# KiCad board power-module.kicad_pcb (continued)
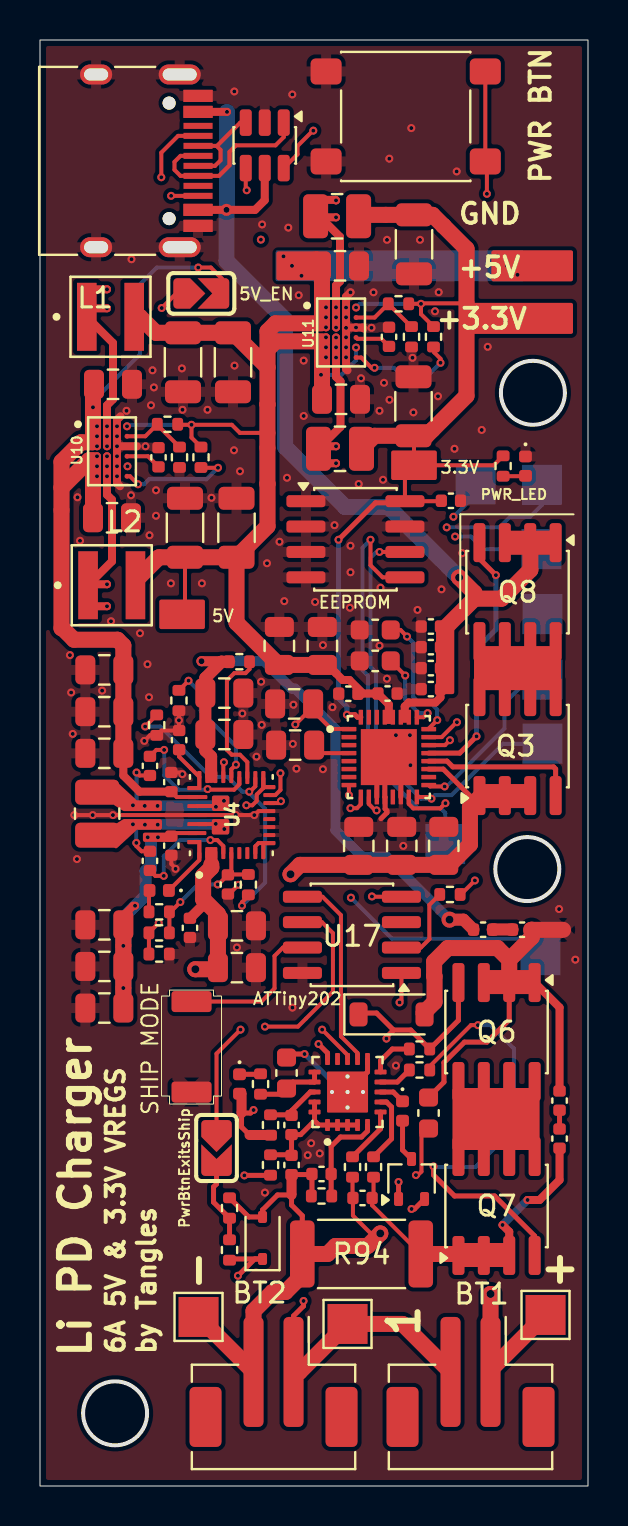
[diagram p0: board, top side]
## Nets
+3.3V_MAIN: C64.2 C65.2 C123.1 L3.2 L4.2 R24.1 R51.2 R52.2 U11.A4 U18.32 U22.8
+5V_MAIN: C56.2 C57.2 C58.2 C59.2 C61.2 C62.2 C119.1 C120.1 C121.1 C122.1 L1.2 L2.2 R48.2 R49.2 U10.A4 U11.A1 U11.B1 U11.C1 U11.D1 U11.E1 U11.E4 U11.F1 U18.28 U18.29
+VBATT: C95.1 C96.2 NT6.2 R71.2 U4.22 U4.23
+VBUS: C106.1 C112.1 C113.1 C114.1 J13.A4 J13.A9 J13.B4 J13.B9 Q8.1 Q8.2 Q8.3 U14.5 U18.26 U18.27
/3V3_SHIP_MODE_OFF: C104.1 SJ14.1 U18.1
/5V_EN: SJ9.1 U10.E4
/GND_OUT: C90.1 C91.2 D31.2 NT7.2 Q6.1 Q6.2 Q6.3 R87.1
GND: C54.1 C55.1 C56.1 C57.1 C58.1 C59.1 C60.1 C61.1 C62.1 C63.1 C64.1 C65.1 C76.1 C94.2 C95.2 C96.1 C97.2 C98.1 C99.1 C100.2 C101.2 C102.2 C103.1 C104.2 C105.2 C106.2 C107.2 C108.1 C109.1 C110.1 C111.2 C112.2 C113.2 C114.2 C115.2 C116.2 C117.1 C118.1 C119.2 C120.2 C121.2 C122.2 C123.2 D23.1 J13.A1 J13.A12 J13.B1 J13.B12 J13.S1 K_79.2 K_85.2 NT7.1 R50.1 R53.1 R72.1 R74.1 R96.2 TP3.1 U4.10 U4.11 U4.13 U4.27 U10.A3 U10.B3 U10.C3 U10.C4 U10.D3 U10.E3 U10.F3 U11.A3 U11.B3 U11.C3 U11.C4 U11.D3 U11.E3 U11.F3 U14.2 U17.8 U18.11 U18.12 U18.14 U18.33 U22.1 U22.2 U22.3 U22.4 U22.7
+VCHG: C101.1 C102.1 C103.2 C111.1 C115.1 C116.1 Q3.1 Q3.2 Q3.3 U4.2 U4.3 U18.19
+VSYS: C54.2 C55.2 C107.1 C108.2 C109.2 C110.2 SJ9.2 U4.25 U10.A1 U10.B1 U10.C1 U10.D1 U10.E1 U10.F1
/BQ_3V3: Q2.1 U16.15 U17.1
/BQ_BATT+: C85.2 R89.1 U16.18
/BQ_BATT-: C87.2 R91.1 U16.5
/BQ_CELL1: C85.1 C86.2 R90.1 U16.1 U16.2 U16.3 U16.4 U16.19 U16.20
/BQ_CHG: R86.2 U16.10
/BQ_DSG: R85.2 U16.9
/BQ_REGSRC: C84.2 R88.1 U16.16 U16.17
/BQ_SCL: U16.12 U17.5
/BQ_SDA: U16.13 U17.4
/BQ_TS: D32.1 U16.8
/CELL1: BT1.2 BT2.1 R90.2 TP2.1
/CELL+: BT1.1 C92.1 NT1.2 NT2.1 NT6.1 TP1.1
/CELL-: BT2.2 C84.1 C88.2 D33.2 NT3.1 R92.1 R94.2 R95.2 TP5.1 U16.11 U16.21
/CHG_INT: TP12.1 U4.21 U18.17
/CHG_SCL: TP10.1 U4.14 U18.16 U22.6
/CHG_SDA: TP11.1 U4.15 U18.15 U22.5
/CM5_PWR_BTN: K_79.1 R66.1
/DSCH_PATH: C88.1 C89.2 Q7.1 Q7.2 Q7.3 R93.2 R94.1
/GATE_VBUS: Q8.4 U18.21
/GATE_VCHG: Q3.4 U18.20
/PD_CC1: C117.2 J13.A5 U18.24
/PD_CC2: C118.2 J13.B5 U18.25
/PMID: C97.1 C98.2 C99.2 C100.1 U4.29
/PWR_OK_3V3: R51.1 U11.F4
/PWR_OK_5V: R48.1 U10.F4
/REGN: C76.2 R73.2 R75.1 R97.2 U4.5
/SHIP_MODE: K_85.1 U17.7
/TINY202_UPDI: TP4.1 U17.6
/USB2_SYS_N: U14.6 U18.23
/USB2_SYS_P: U14.4 U18.22
Net-(C86-Pad1): C86.1 C87.1 NT3.2 R91.2
Net-(C89-Pad1): C89.1 C90.2
Net-(C91-Pad1): C91.1 C92.2
Net-(D23-A): D23.2 R24.2
Net-(D30-A): D30.2 NT1.1
Net-(D30-K): D30.1 R88.2
Net-(D31-K): D31.1 Q6.4 R86.1 R87.2
Net-(D32-A): D32.2 Q2.3
Net-(D33-K): D33.1 Q2.2 R64.2
Net-(D35-A): D35.2 R97.1
Net-(D35-K): D35.1 U4.1
Net-(J13-D+-PadA6): J13.A6 J13.B6 U14.1
Net-(J13-D--PadA7): J13.A7 J13.B7 U14.3
Net-(L1-Pad1): L1.1 U10.A2 U10.B2 U10.C2
Net-(L2-Pad1): L2.1 U10.D2 U10.E2 U10.F2
Net-(L3-Pad1): L3.1 U11.A2 U11.B2 U11.C2
Net-(L4-Pad1): L4.1 U11.D2 U11.E2 U11.F2
Net-(NT2-Pad2): NT2.2 R89.2
Net-(Q3-D-Pad5): Q3.5 Q3.6 Q3.7 Q3.8 Q8.5 Q8.6 Q8.7 Q8.8
Net-(Q6-D-Pad5): Q6.5 Q6.6 Q6.7 Q6.8 Q7.5 Q7.6 Q7.7 Q7.8
Net-(Q7-G): Q7.4 R85.1
Net-(R64-Pad1): R64.1 R95.1 SJ14.2
Net-(U4-BATP): R71.1 U4.18
Net-(U4-BTST1): C77.1 U4.4
Net-(U4-BTST2): C93.1 U4.19
Net-(U4-ILIM_HIZ): R73.1 R74.2 U4.17
Net-(U4-PROG): R72.2 U4.20
Net-(U4-SDRV): C94.1 U4.24
Net-(U4-SW1): C77.2 L6.1 U4.28
Net-(U4-SW2): C93.2 L6.2 U4.26
Net-(U4-TS): R75.2 R96.1 U4.16
Net-(U4-VAC1): U4.8 U4.9
Net-(U10-FB): R49.1 R50.2 U10.B4
Net-(U10-SS/TR): C60.2 U10.D4
Net-(U11-FB): R52.1 R53.2 U11.B4
Net-(U11-SS/TR): C63.2 U11.D4
Net-(U16-SRN): R93.1 U16.7
Net-(U16-SRP): R92.2 U16.6
Net-(U17-PA6): R66.2 U17.2
Net-(U18-I2Ct_IRQ): TP6.1 U18.10
Net-(U18-I2Ct_SCL): TP8.1 U18.9
Net-(U18-I2Ct_SDA): TP7.1 U18.8
Net-(U18-LDO_1V5): C105.1 U18.4

Pads without a net: BT1 MP; BT2 MP; J13 A8 B8; U4 6 7 12; U16 14; U17 3; U18 2 3 5 6 7 13 18 30 31

## Via types
v1: diameter 0.4, hole 0.2, Top to Bottom, 255 vias
v2: diameter 0.8, hole 0.4, Top to Bottom, 6 vias
v3: diameter 0.6, hole 0.3, Top to Bottom, 1 via
v4: diameter 0.5, hole 0.3, Top to Bottom, 1 via

## Routing (per net, layer and track width the routed paths; a pad name or vN(x,y) marks a point on that pad's centre or on a via; arc(x,y) is an arc through that point)
+3.3V_MAIN: length 51
  Top w0.2: 18.7,51.05 18.25,50.6 U22.8 20.05,49.26 C123.1 ; 18.7,51.05 22.68,51.05 R24.1 ; 18.7,51.05 18.7,52.5 C64.2 ; v1(19.05,59.12) 19.08,59.15 21.32,59.15 21.33,59.15 ; v1(19.05,59.12) 19.05,58.61 R51.2 ; v1(19.05,59.12) R52.2
  Top w0.25: v1(14.93,47.33) 16.78,49.17 18.17,49.17 U22.8 ; U18.32 15.87,38.45 15.75,38.58 v1(15.35,38.58)
  Top w0.8: L4.2 16.72,52.53 C64.2 19.33,52.53 21.33,54.53 21.33,61.87 20.17,63.03 20.17,63.03 19.62,63.58 C65.2 16.15,63.58 16.1,63.53
  Bottom w0.2: v1(15.8,58.94) 15.99,59.12 v1(19.05,59.12)
  Bottom w0.25: v1(15.35,38.58) 15.35,38.98 14.93,39.4 v1(14.93,47.33)
+5V_MAIN: length 67.1
  Top w0.2: R49.2 6.91,53.08 v1(7.58,53.08) ; C57.2 7.25,43.74 7.11,43.59 ; R48.2 7.58,52.44 v1(7.58,53.08) ; 11.37,52.67 10,52.67 9.59,53.08 v1(7.58,53.08)
  Top w0.4: v1(14.3,57.95) 14.3,58.25 ; C122.1 14.39,41.06 14.8,40.65 14.8,40.64 15.14,40.31 15.47,40.31 16.15,39.64 C120.1 16.9,39.63 17.44,39.09 17.44,38.4 ; v1(14.3,57.45) 14.3,57.18
  Top w0.8: 11.38,56.84 11.79,57.25 14.1,57.25 ; 11.38,56.84 11.38,57.75 11.77,58.15 14.08,58.15 ; 11.38,56.84 11.38,55.95 ; C122.1 C121.1 11.94,41.06 9.83,43.17 C59.2 ; 11.38,55.95 C58.2 5.8,57.68 5,58.48 L1.2 ; 11.38,55.95 11.38,54.1 11.37,54.09 11.37,50.12 11.38,50.12 11.38,48 C59.2 ; C59.2 5.95,46.45 4.77,45.27 L2.2 ; 14.05,54.4 C61.2 ; 14.1,61 14.1,58.45 ; 14.1,54.38 14.1,56.97
  In2.Cu w0.4: v1(14.3,58.95) v1(14.3,57.95) ; v1(14.3,57.45) v1(14.3,56.45)
  Bottom w0.2: v1(15.8,56.94) 15.8,56.3 15.07,55.58 v1(14.05,55.58) ; v1(4.35,53) 4.43,53.08 v1(7.58,53.08)
  vias: v1(12.18,61.5) v1(12.6,61.03) v1(13.08,60.53) v1(14.3,58.45) v1(14.3,56.95) v1(22.88,61.53) v1(23.35,61.03) v1(23.88,60.58)
+VBATT: length 6.8
  Top w0.2: 8.17,37.48 C96.2
  Top w0.4: 8.57,35.46 8.56,35.47
  Top w0.6: 9.08,41.23 8.27,40.42 C95.1 C96.2 8.27,36.78 8.56,36.48 8.56,35.47 ; 9.08,41.23 R71.2 ; 9.08,41.23 9.05,41.23
+VBUS: length 49
  Top w0.4: C114.1 20.02,39.44 19.77,39.19 18.43,39.19 18.24,38.99 18.24,38.46 ; J13.A4 v1(9.35,68.72) ; J13.A9 v3(9.33,63.83) 10.75,63.83 11.24,64.31 U14.5
  Top w0.6: 24.51,47.18 24.52,47.19 24.52,47.6 24.5,47.62
  Top w0.8: 21.72,44.38 20.26,42.92 20.26,41.42 20.26,41.42 ; 21.72,44.38 23.08,44.38 24.52,45.81 24.52,47.17 ; 21.72,44.38 21.72,44.67 v2(20.96,45.44)
  Bottom w0.4: 9.35,63.85 v3(9.33,63.83)
  Bottom w0.8: v2(20.96,45.44) 17.43,48.97 15.25,48.97 12.25,51.97 12.25,58.34 9.33,61.27 v3(9.33,63.83) ; v1(9.35,68.72) 9.35,63.85
/3V3_SHIP_MODE_OFF: length 26.3
  Top w0.2: U18.1 15.44,37.87 14.56,37.87 13.72,38.7 13.39,38.7 ; v1(12.77,38.09) 13.66,38.98 C104.1 ; v1(10.03,22.83) 8.83,21.62 SJ14.1
  In1.Cu w0.2: v1(12.77,38.09) 13.58,37.28 13.58,28.73 10.03,25.19 v1(10.03,22.83)
/5V_EN: length 10.9
  Top w0.2: SJ9.1 6.81,59.65 v1(6.09,58.92) ; v1(4.38,51) U10.E4
  In1.Cu w0.2: v1(6.09,58.92) 6.09,58.09 6.33,57.85 6.33,51.63 5.69,51 v1(4.38,51)
/GND_OUT: length 24.2
  Top w0.25: 19.43,19.45 R87.1 20.2,20.2 20.2,21.17 21.22,22.2 22.35,22.2 23.46,23.31 23.46,25.18
  Top w0.4: 24.73,25.18 25.98,23.94 C90.1
  Top w0.8: 23.46,26.32 23.46,25.18 ; 23.46,26.32 24.59,27.44 C91.2 ; 23.46,26.32 22.88,26.91 20.39,26.91 19.71,26.22 19.71,25.51 19.73,25.48 19.73,24.2 19.18,23.66
GND: length 27.8
  Top w0.2: v1(7.12,35.61) 7.04,35.69 C107.2 ; v1(1.72,33.56) v1(2.64,33.56) v1(3.65,33.56) 9.78,33.56 v1(9.79,33.56) 9.8,33.56 v1(10.72,33.56) 10.74,33.56 10.94,33.76 U4.13 ; v1(5.22,37.27) 5.5,37.55 R74.1 6.08,37.78 C94.2 6.95,37.8 v1(6.95,38.3) R72.1 ; 6.57,31.59 6.57,31.11 6.78,30.89 v1(6.78,30.87) ; C76.1 9.46,29.61 v1(9.92,30.06)
  Top w0.25: 16.86,35.16 16.84,35.14 16.84,34.46 ; 18.04,35.17 18.04,35.16 18.04,34.46 ; 17.24,35.16 17.24,35.15 17.24,34.46 17.26,34.45 17.26,33.87 17.35,33.78 17.35,33.67 17.05,33.38
  Top w0.4: v1(3.85,52) 4.85,52 ; 4,50 3.85,50.15 v1(3.85,50.5) v1(3.85,51) v1(3.85,51.5) 3.85,53.33 4.03,53.5 ; U11.C3 v1(15.8,57.94) 16.14,57.94 16.18,57.9 ; 15.38,55.8 15.3,55.87 v1(15.3,56.45) v1(15.3,56.95) v1(15.3,57.45) v1(15.3,57.93) v1(15.3,58.45) v1(15.3,58.94) 15.3,59.48 v1(15.53,59.7)
  vias: v1(1.5,41.56) v1(1.56,39.69) v1(1.64,37.62) v1(1.88,49.45) v1(1.85,31.36) v1(2,47.28) v1(3.11,39.78) v1(3.55,43.25) v1(3.85,53) v1(3.85,52.5) v1(4.33,53.78) v1(4.55,49.55) v1(4.58,61.36) v1(5,42.65) v1(5.28,52) v1(5.38,41.1) v1(5.47,47.55) v1(5.45,39.45) v1(5.55,54.05) v1(5.62,55.8) v1(5.7,54.95) v1(5.8,49.8) v1(5.8,48.53) v1(6.55,45.14) v1(7.1,55.9) v1(7.12,53.83) v1(8.1,45.14) v1(8.38,53.83) v1(8.58,49.42) v1(9.72,69.75) v1(9.72,56.04) v1(9.7,51.8) v1(9.85,26.94) v1(10,50.75) v1(10.12,38.64) v1(10.83,36.48) v1(11.06,40.23) v1(11.11,63.1) v1(11.09,38.06) v1(11.25,14.67) v1(11.35,46.15) v1(11.97,47.23) v1(12.22,44.26) v1(12.35,50.42) v1(12.41,62.94) v1(12.62,69.59) v1(12.67,39.08) v1(12.64,37.12) v1(12.62,23.92) v1(12.82,35.88) v1(12.94,59.55) v1(13.19,56.29) v1(13.19,53.52) v1(13.39,16.55) v1(13.56,17.14) v1(13.75,44.22) v1(13.99,16.64) v1(14.15,42.06) v1(14.15,35.85) v1(14.62,38.95) v1(14.72,48.06) v1(15.53,47.03) v1(15.53,45.7) v1(15.5,43.92) v1(15.94,50.12) v1(16.05,55.4) v1(16.58,57.93) v1(16.68,59.7) v1(16.97,53.78) v1(16.97,42.03) v1(17.03,44.92) v1(17.15,50.33) v1(17.2,55.17) v1(17.35,62.33) v1(17.35,40.38) v1(17.47,66.39) v1(17.47,54.33) v1(17.8,37.55) v1(17.8,21.03) v1(18.16,32.02) v1(18.56,67.92) v1(18.5,37.55) v1(18.52,36.05) v1(18.62,56.43) v1(18.67,53.7) v1(18.88,43.81) v1(19,62.33) v1(19.75,58.75) v1(19.94,59.71) v1(19.9,54.5) v1(20.08,44.84) v1(20.72,51.88) v1(20.84,65.75) v1(21.12,46.66) v1(22.09,52.81) v1(22.39,56.98) v1(25.96,28.86) v1(26.77,26.33)
+VCHG: length 33.1
  Top w0.25: 21.73,34.19 21.73,34.29 20.16,35.86 U18.19
  Top w0.5: 8.16,29.06 C101.1
  Top w0.6: 8.82,25.84 C103.2 ; 8.16,29.34 8.16,29.06 ; 8.57,31.08 8.57,31.66
  Top w0.8: C103.2 C102.1 8.9,28.61 8.16,29.34 8.16,30.52 8.57,30.92 8.57,31.08 ; v2(7.77,25.84) 8.82,25.84 ; v2(12.53,30.59) 13,31.06 C116.1 C115.1 C111.1 20.48,31.06 21.5,32.09 21.5,33.96 22.04,34.51 23.25,34.51
  In2.Cu w0.8: v2(12.53,30.59) 12.53,28.31 10.06,25.84 v2(7.77,25.84)
+VSYS: length 48
  Top w0.2: SJ9.2 9.08,60.4 8.54,60.94 v1(7.91,60.94) ; U4.25 6.84,34.45 C107.1
  Top w0.4: C107.1 4.98,34.73 4.17,35.53 C110.2 ; v1(2.85,51.5) 2.85,51.23 2.65,51.03 ; 2.65,52.5 2.85,52.3 v1(2.85,52)
  Top w0.8: C54.2 2.65,55.05 v1(2.65,53.95) 2.65,52.22 2.62,52.2 2.05,52.2 1.08,51.23 1.08,49.92 ; C55.2 2.65,51.02 2.65,51.3 2.45,51.3 1.08,49.92 ; 1.08,49.92 1.08,42.9 1.12,42.9 1.7,42.33 3.88,42.33 4.17,42.03 C108.2 C110.2
  In2.Cu w0.4: v1(2.85,51.5) v1(2.85,50.5) ; v1(2.85,53) v1(2.85,52)
  Bottom w0.2: v1(7.91,60.94) 5.84,60.94 5,60.1 5,56.6 2.65,54.25 v1(2.65,53.95)
  vias: v1(2.85,52.5) v1(2.85,51)
/BQ_3V3: length 16.1
  Top w0.2: v1(17.98,24.19) 18.07,24.28 U17.1
  Top w0.25: v1(13.93,22.11) 14.38,21.66 U16.15 ; v1(17.93,15.2) Q2.1
  In2.Cu w0.2: v1(17.98,24.19) 15.9,22.11 15.48,22.11
  In2.Cu w0.25: v1(13.93,22.11) 15.48,22.11 16.99,20.59 16.99,16.14 v1(17.93,15.2)
/BQ_BATT+: length 2.8
  Top w0.25: C85.2 12.58,18.77 13.51,19.7 U16.18 ; R89.1 12.55,18.56
  Top w0.4: 12.55,18.56 C85.2
/BQ_BATT-: length 4.9
  Top w0.25: U16.5 16.38,17.76 16.08,17.45 15.03,17.45 14.56,16.98 C87.2 14.56,14.53 R91.1
/BQ_CELL1: length 6.7
  Top w0.25: U16.4 U16.3 U16.2 U16.1 13.94,18.06 13.73,18.27 ; C86.2 C85.1 13.03,17.58 13.73,18.27 ; R90.1 12.55,16.56 ; U16.19 U16.20 13.73,18.27
  Top w0.4: 12.55,16.56 C86.2
/BQ_CHG: length 2.2
  Top w0.25: U16.10 17.03,21.27 17.62,21.86 R86.2
/BQ_DSG: length 1.7
  Top w0.25: U16.9 17.87,20.2 R85.2
/BQ_REGSRC: length 3.5
  Top w0.25: U16.16 U16.17 12.65,20.2 12.04,19.59 R88.1
/BQ_SCL: length 9.8
  Top w0.2: U17.5 14.13,29.47 15.05,28.55 15.05,22.48 15.88,21.66 U16.12
/BQ_SDA: length 11.2
  Top w0.2: U17.4 16.61,29.47 v1(16.6,29.48) ; v1(14.11,22.83) 15.38,21.56 U16.13
  In1.Cu w0.2: v1(16.6,29.48) 16.53,29.42 16.53,25.5 14.11,23.08 v1(14.11,22.83)
/BQ_TS: length 1.3
  Top w0.25: U16.8 17.66,19.7 D32.1
/CELL1: length 22.8
  Top w0.25: v1(10.22,15.53) 11.52,15.53 R90.2 ; BT2.1 12.68,8.51 13.18,9.01 v1(13.18,9.26)
  Top w0.8: BT1.2 18.13,8.11 TP2.1 12.98,5.7 BT2.1
  In2.Cu w0.25: v1(13.18,9.26) 12.49,9.26 10.22,11.53 v1(10.22,15.53)
/CELL+: length 64.8
  Top w0.25: v1(10.68,18.81) 10.53,18.66 NT1.2 10.08,17.95 NT2.1
  Top w0.6: v2(20.48,28.33) 21.18,28.33 C92.1
  Top w0.8: v2(22.53,9.61) BT1.1 22.53,5.81 TP1.1
  In2.Cu w0.25: 20.48,24.88 15.1,24.88 12.08,21.86 12.08,20.2 v1(10.68,18.81)
  In2.Cu w0.8: v2(22.53,9.61) 22.53,10.45 20.98,12.01 20.98,23.66 20.47,24.17 20.47,28.31 v2(20.48,28.33)
  Bottom w0.5: v2(20.48,28.33) 17.33,31.48 16.1,31.48 14.77,32.8 14.77,37.86 12.75,39.89 12.58,39.89 11.21,41.25 v4(8.08,41.25)
/CELL-: length 42.9
  Top w0.2: v2(17.01,12.63) 16.54,12.63 15.65,13.53 C88.2 15.63,14.42 R92.1
  Top w0.25: R95.2 10.44,13.45 D33.2 11.13,13.81 11.88,14.56 NT3.1 12.58,14.06 13.11,13.52 R94.2 ; U16.11 16.38,20.7 U16.21 ; C84.1 12.5,21.61 v1(13.23,21.61)
  Top w0.8: TP5.1 BT2.2 10.68,8.76 11.63,9.7 12.28,9.7 12.93,10.36 12.93,11.42 R94.2 14.38,11.61 14.78,12.01 16.39,12.01 v2(17.01,12.63)
  In2.Cu w0.8: U16.21 15.75,19.34 15.75,13.9 v2(17.01,12.63)
  Bottom w0.25: U16.21 U16.21 14.6,20.23 v1(13.23,21.61) ; U16.21 U16.21 ; U16.21 U16.21 ; U16.21 U16.21
/CHG_INT: length 21.7
  Top w0.2: U4.21 9.17,36.17 v1(9.2,36.2) ; v1(20.23,34.99) 19.5,34.99 U18.17
  In2.Cu w0.2: v1(20.23,34.99) 19.75,35.48 16.07,35.48 15.1,36.45 12.05,36.45 11.37,37.12 10.12,37.12 v1(9.2,36.2)
  Bottom w0.2: TP12.1 24.4,40.33 23.22,39.15 23.22,37.88 20.33,34.99 v1(20.23,34.99)
/CHG_SCL: length 32.3
  Top w0.2: v1(19.57,34.38) 19.49,34.46 18.84,34.46 ; U4.14 11.95,34.16 v1(12.05,34.25) ; v1(16.97,46.72) U22.6
  In2.Cu w0.2: v1(12.05,34.25) 12.6,34.25 13.9,32.95 15.42,32.95 16.92,34.45 19.5,34.45 v1(19.57,34.38)
  Bottom w0.2: TP10.1 23.16,37.12 20.58,34.55 19.75,34.55 v1(19.57,34.38) 19.05,34.38 16.8,36.62 16.8,40.7 16.53,40.97 16.53,46.43 16.81,46.72 v1(16.97,46.72)
/CHG_SDA: length 34.2
  Top w0.2: U22.5 17.13,45.45 16.53,46.05 v1(16.53,47.33) ; v1(20.27,34.15) 20.01,33.89 18.66,33.89 18.44,34.11 18.44,34.46 ; U4.15 11.77,34.56 12.02,34.81 v1(12.02,35.65)
  In2.Cu w0.2: v1(20.27,34.15) 20.27,34.38 19.55,35.1 15.87,35.1 15.6,35.38 12.3,35.38 v1(12.02,35.65)
  Bottom w0.2: TP11.1 20.27,33.66 20.02,33.9 ; 20.02,33.9 v1(20.27,34.15) ; 20.02,33.9 18.9,33.9 16.4,36.4 16.4,40.53 16.12,40.8 16.12,46.92 v1(16.53,47.33)
/CM5_PWR_BTN: length 45.5
  Top w0.2: R66.1 21.05,29.59 v1(21.75,30.28) ; v1(22.34,64.62) 22.34,66.17 K_79.1 K_79.1
  In2.Cu w0.2: v1(21.75,30.28) 21.75,31.83 25.88,35.95 25.88,47.08 21.34,51.62 21.34,63.62 v1(22.34,64.62)
/DSCH_PATH: length 13.8
  Top w0.2: R94.1 16.61,14.04 C88.1 16.68,14.48 R93.2
  Top w0.4: C89.2 25.98,15.31 24.98,14.31 v1(24.38,14.31) ; 23.46,11.53 23.46,12.72 v1(23.13,13.06)
  Top w0.8: R94.1 20.85,11.61 20.92,11.53
  Bottom w0.4: v1(23.13,13.06) v1(24.38,14.31)
/GATE_VBUS: length 13.2
  Top w0.25: v1(21.83,37.5) 20.99,36.66 U18.21 ; 21.97,47.18 21.97,46.38 v1(22.8,45.56)
  Bottom w0.25: v1(22.8,45.56) 22.8,42.84 21.83,41.87 v1(21.83,37.5)
/GATE_VCHG: length 7.8
  Top w0.25: 25.78,34.53 25.78,35.86 25.68,35.97 20.64,35.97 20.35,36.26 U18.20
/PD_CC1: length 40.4
  Top w0.2: J13.A5 6.91,67.53 6.06,66.69 v1(6.06,65.46) ; v1(19.86,38.31) 19.44,37.88 U18.24 ; v1(18.35,42.48) 18.02,42.81 C117.2
  In1.Cu w0.2: v1(11.05,62.34) 9.28,62.34 8.05,63.58 8.05,64.72 7.31,65.46 v1(6.06,65.46)
  In2.Cu w0.2: v1(11.05,62.34) 10.86,62.15 10.86,54.8 13.33,52.33 13.41,52.33 13.41,47 17.91,42.48 v1(18.35,42.48)
  Bottom w0.2: v1(19.86,38.31) 19.86,38.84 19.55,39.14 18.98,39.14 18.66,39.46 18.66,42.17 v1(18.35,42.48)
/PD_CC2: length 37.8
  Top w0.2: C118.2 17.54,41.26 v1(18.26,40.53) ; v1(19.38,38.66) 19.18,38.45 U18.25 ; J13.B5 v1(6.56,64.53)
  In2.Cu w0.2: v1(6.56,64.53) 6.86,64.53 8.46,62.93 9.84,62.93 10.39,62.39 10.39,54.41 12.88,51.92 12.88,41.92 13.62,41.17 17.63,41.17 v1(18.26,40.53)
  Bottom w0.2: v1(18.26,40.53) 18.26,39.34 18.95,38.66 v1(19.38,38.66)
/PMID: length 11.2
  Top w0.2: U4.29 6.67,32.66 6.57,32.56
  Top w0.4: C97.1 4.17,28.53 4.66,29.02 v1(4.75,29.02) ; 6.57,32.56 6.46,32.45
  Top w0.8: C99.2 v1(4.17,24.91) v1(4.17,27.02) C97.1
  Bottom w0.25: v1(5.9,32.45) v1(5.39,32.45)
  Bottom w0.6: 4.17,28.44 5.28,29.55 5.28,30.76 5.55,31.03 5.55,31.62
/PWR_OK_3V3: length 5.7
  Top w0.2: U11.F4 16.06,56.44 16.58,55.93 v1(16.73,55.93) ; v1(20.03,56.18) 20.03,56.38 19.72,56.69 19.72,56.93 R51.1
  Bottom w0.2: v1(16.73,55.93) 17.7,55.93 17.95,55.68 19.53,55.68 v1(20.03,56.18)
/PWR_OK_5V: length 5.9
  Top w0.2: v1(4.9,50.1) 4.5,50.5 U10.F4 ; R48.1 8.06,50.92 v1(8.9,50.92)
  Bottom w0.2: v1(4.9,50.1) 5.2,50.1 5.45,50.35 8.33,50.35 v1(8.9,50.92)
/REGN: length 6.9
  Top w0.2: R73.2 9.42,30.59 C76.2 ; C76.2 8.92,30.09 v1(8.89,30.09) ; C76.2 9.57,30.73 U4.5 ; R75.1 6.47,27.67 R97.2 6.53,28.72 v1(7.02,29.2)
  Bottom w0.2: v1(8.89,30.09) 7.9,30.09 v1(7.02,29.2)
/SHIP_MODE: length 7.6
  Top w0.2: K_85.1 11.07,24.23 11.73,24.89 11.73,26.51 12.15,26.93 U17.7
/TINY202_UPDI: length 28.1
  Top w0.2: v1(11.25,22.98) 12.9,22.98 14.65,24.73 14.65,27.65 14.1,28.2 U17.6
  In2.Cu w0.2: v1(11.25,22.98) 11.25,23.8 12.65,25.2 13.9,25.2 15.55,26.85 v1(15.55,29.42)
  Bottom w0.2: v1(15.55,29.42) 17.6,27.38 25,27.38
/USB2_SYS_N: length 40.4
  Top w0.2: U18.23 20.08,37.45 20.83,38.2 v1(20.85,38.2) ; U14.6 12.88,66.6 12.88,67.02 13.65,67.78 v1(13.66,67.78)
  In2.Cu w0.2: v1(20.85,38.2) 20.85,43.16 19.38,44.64 19.38,51.42 20.9,52.94 20.9,64.62 17.97,67.55 13.91,67.55 v1(13.66,67.78)
/USB2_SYS_P: length 43.8
  Top w0.2: U18.22 20.25,37.06 v1(20.5,37.3) ; U14.4 10.29,64.85 v1(10.34,64.81)
  In2.Cu w0.2: v1(10.34,64.81) 10.34,66 11.49,67.15 17.78,67.15 20.59,64.33 20.59,53.2 19,51.62 19,44.48 20.41,43.06 20.41,37.38 v1(20.5,37.3) 20.45,37.35
Net-(C86-Pad1): length 2.1
  Top w0.25: R91.2 13.6,14.53 C87.1 13.57,15.58 C86.1
Net-(C89-Pad1): length 0.9
  Top w0.25: C89.1 C90.2
Net-(C91-Pad1): length 1
  Top w0.6: C92.2 22.65,27.84 23.62,27.84 C91.1
Net-(D23-A): length 1.1
  Top w0.2: R24.2 24.25,50.5
Net-(D30-K): length 1.1
  Top w0.25: R88.2 11,20.59 D30.1
Net-(D31-K): length 19.3
  Top w0.2: 19.43,17.88 19.07,17.53 19.07,15.73 18.9,15.55 v1(18.8,15.55)
  Top w0.25: 15.88,23.66 16.83,23.66 17.68,22.81 ; 17.68,22.81 17.32,22.45 v1(17.32,22.38) ; 17.68,22.81 18.54,22.81 R86.1 20.92,23.29 20.92,25.18
  In2.Cu w0.25: v1(18.8,15.55) 18.8,21.58 18,22.38 v1(17.32,22.38)
Net-(D32-A): length 2.1
  Top w0.25: Q2.3 18.13,16.81 18.13,18.27
Net-(D33-K): length 15
  Top w0.25: v1(18.58,13.86) 18.73,13.86 Q2.2 ; R64.2 9.54,11.36 D33.1 10.74,11.36 v1(9.9,10.52)
  In1.Cu w0.25: v1(18.58,13.86) 18.58,12.45 16.64,10.52 v1(9.9,10.52)
Net-(D35-A): length 1.1
  Top w0.2: D35.2 5.45,29.76 R97.1
Net-(D35-K): length 2.5
  Top w0.2: D35.1 7.97,31.31 U4.1
Net-(J13-D+-PadA6): length 9.2
  Top w0.2: U14.1 12.19,67.46 11.78,67.05 9.8,67.05 9.47,66.72 9.47,66.05 8.95,65.53 J13.B6 7.03,65.53 6.72,65.83 6.72,66.22 7.03,66.53 J13.A6
Net-(J13-D--PadA7): length 4.9
  Top w0.2: U14.3 10.01,68.19 8.84,67.01 ; 8.84,67.01 9.03,66.83 9.03,66.3 8.75,66.03 J13.A7 ; 8.84,67.01 8.83,67.03 J13.B7
Net-(L1-Pad1): length 24.7
  Top w0.4: 2.45,59.8 2.5,59.85 v1(3.35,59.85) ; 2.5,59.38 2.45,59.33 ; 2.53,58.88 2.55,58.9 v1(3.35,58.9) ; L1.1 3.65,57.17 3.65,54.35 3.35,54.05 v1(3.35,53) v1(3.35,52.5) v1(3.35,52)
  In1.Cu w0.4: v1(3.35,59.85) v1(3.35,58.9) v1(3.35,52)
  In2.Cu w0.4: v1(3.35,59.85) v1(3.35,52)
Net-(L2-Pad1): length 23.9
  Top w0.4: v1(3.35,45.1) 2.45,45.1 L2.1 3.6,46.25 3.6,49.33 3.35,49.58 v1(3.35,50.5) v1(3.35,51.5) ; v1(3.35,44) 2.55,44 2.53,44.03
  In1.Cu w0.4: v1(3.35,44) v1(3.35,45.1) v1(3.35,51.5)
  In2.Cu w0.4: v1(3.35,51.5) v1(3.35,44)
  vias: v1(3.35,51)
Net-(L3-Pad1): length 20.2
  Top w0.4: 14.2,63.88 14.18,63.85 ; 14.25,63.43 14.28,63.45 v1(14.8,63.45) ; v1(14.8,64.3) 14.78,64.33 14.05,64.33 ; v1(14.8,57.94) v1(14.8,58.45) U11.A2 14.8,60.05 15,60.25 15,62.48 13.95,63.53
  In1.Cu w0.4: v1(14.8,57.94) v1(14.8,63.45) v1(14.8,64.3)
  In2.Cu w0.4: v1(14.8,57.94) v1(14.8,64.3)
  vias: v1(14.8,58.95)
Net-(L4-Pad1): length 19.8
  Top w0.4: v1(14.8,51.15) 14.8,51.15 14.2,51.15 ; v1(14.8,52) 14.33,52 ; L4.1 15.03,52.98 15.03,55.25 14.8,55.47 v1(14.8,56.44) v1(14.8,56.95) v1(14.8,57.44)
  In1.Cu w0.4: v1(14.8,57.44) v1(14.8,52) v1(14.8,51.15)
  In2.Cu w0.4: v1(14.8,57.44) v1(14.8,51.15)
Net-(Q7-G): length 22.3
  Top w0.2: v1(21.9,23.05) 21.55,23.05 19.49,20.99 R85.1
  Top w0.25: 24.73,11.53 24.73,12.5 22.73,14.51 20.73,14.51 19.68,15.56 v1(19.68,15.98)
  Bottom w0.2: v1(21.9,23.05) 22.52,23.05 23.7,21.88 23.7,17.88 21.77,15.95 19.71,15.95 v1(19.68,15.98)
Net-(R64-Pad1): length 4
  Top w0.25: R64.1 R95.1 8.68,14.2 8.68,14.95 8.83,15.11 SJ14.2
Net-(U4-BATP): length 7.3
  Top w0.2: U4.18 10.37,36.2 10,36.58 9.59,36.58 9.35,36.81 9.35,40.28 9.72,40.66 10.28,40.66 10.48,40.86 R71.1
Net-(U4-BTST1): length 5.6
  Top w0.2: v1(6.19,30.52) 5.77,30.52 C77.1 ; v1(8.52,32.31) 8.87,32.31 9.17,32 U4.4
  Bottom w0.2: v1(6.19,30.52) 6.19,31.5 7,32.31 v1(8.52,32.31)
Net-(U4-BTST2): length 6.6
  Top w0.2: v1(8.38,34.86) 8.43,34.86 8.46,34.83 9.71,34.83 9.97,35.09 U4.19 ; v1(6.21,36.81) 5.82,36.81 C93.1
  Bottom w0.2: v1(8.38,34.86) 8.31,34.86 8.28,34.83 6.93,34.83 6.22,35.53 6.22,36.81
Net-(U4-ILIM_HIZ): length 15.3
  Top w0.2: v1(10.1,29.02) 10.1,29.2 10.42,29.52 R73.1 ; v1(5.26,37.98) R74.2 ; U4.17 10.77,35 10.5,34.72 v1(10.46,34.72)
  Bottom w0.2: 5.26,37.98 v1(5.26,37.98) 6.02,37.98 8.54,35.47 9.38,35.47 10.12,34.72 v1(10.46,34.72) 10.46,34.72 10.46,34.72 ; 10.52,34.6 11.26,33.87 11.26,30.18 v1(10.1,29.02)
Net-(U4-PROG): length 6.6
  Top w0.2: v1(7.43,40.28) R72.2 ; v1(9.8,36.08) 9.57,35.84 U4.20
  Bottom w0.2: v1(9.8,36.08) 9.8,37 8.04,38.76 8.04,39.67 v1(7.43,40.28)
Net-(U4-SDRV): length 1.8
  Top w0.2: U4.24 7.97,35.47 6.96,36.48 C94.1
Net-(U4-SW1): length 3.2
  Top w0.2: v1(4.82,32.17) 4.82,32.01 5.08,31.75 C77.2 ; 8.77,33.16 8.71,33.11 7.92,33.11 ; 8.77,33.13 v1(8.79,33.12) ; 3.08,32.7 2.87,32.48
  Bottom w0.2: v1(4.82,32.17) 4.82,32.92 v1(4.65,33.09)
  vias: v1(5.25,33.08) v1(5.89,33.08) v1(9.21,32.86)
Net-(U4-SW2): length 3.4
  Top w0.2: 8.79,33.98 v1(8.8,33.97) ; 8.79,34.01 7.87,34.01 U4.26 ; C93.2 4.98,35.53 v1(4.83,35.69)
  Bottom w0.2: v1(4.65,34.05) 4.83,34.23 v1(4.83,35.69)
  vias: v1(5.24,34.02) v1(5.88,34.02) v1(9.2,34.27)
Net-(U4-TS): length 11.5
  Top w0.2: U4.16 11.17,34.91 10.84,34.58 10.84,34.27 10.62,34.05 v1(10.32,34.05) ; R96.1 R75.2 5.45,27.67 v1(5.94,28.17)
  In1.Cu w0.2: v1(10.32,34.05) 10.32,33.06 8.04,30.78 7.82,30.78 5.94,28.91 v1(5.94,28.17)
Net-(U4-VAC1): length 1.1
  Top w0.2: U4.9 10.93,32.16 10.77,32 U4.8
Net-(U10-FB): length 3.4
  Top w0.2: R50.2 5.87,53.07 R49.1 5.27,52.5 U10.B4
Net-(U10-SS/TR): length 1.8
  Top w0.2: U10.D4 5.4,51.5 5.93,50.98 C60.2
Net-(U11-FB): length 3.5
  Top w0.2: R53.2 18.56,57.98 R52.1 16.73,58.44 U11.B4
Net-(U11-SS/TR): length 1.8
  Top w0.2: C63.2 17.07,57.38 15.87,57.38 U11.D4
Net-(U16-SRN): length 3.5
  Top w0.25: U16.7 17.33,19.2 17.58,18.95 17.58,17.37 R93.1
Net-(U16-SRP): length 2.8
  Top w0.25: R92.2 17.03,17.87 U16.6
Net-(U17-PA6): length 4
  Top w0.2: R66.2 19.47,29.06 19.47,27.35 19.05,26.93 U17.2
Net-(U18-I2Ct_IRQ): length 21.3
  Top w0.2: v1(16.83,33.79) 16.76,33.79 16.44,34.11 16.44,34.46
  In1.Cu w0.2: v1(20.75,47.48) 20.27,47.48 19.91,47.14 19.91,45.72 16.5,42.3 16.5,34.12 v1(16.83,33.79)
  Bottom w0.2: v1(20.75,47.48) 21.55,47.48 22.18,46.85 TP6.1
Net-(U18-I2Ct_SCL): length 23.4
  Top w0.2: v1(15.52,33.9) 15.85,33.9 16.04,34.09 16.04,34.46
  In1.Cu w0.2: v1(20.34,47.95) 20.05,47.95 19.46,47.36 19.46,45.98 16.2,42.73 16.2,34.58 v1(15.52,33.9)
  Bottom w0.2: v1(20.34,47.95) 22.97,47.95 23.5,48.47 24.5,48.47 25.1,49.07 TP8.1
Net-(U18-I2Ct_SDA): length 19.1
  Top w0.2: U18.8 v1(15.45,34.55)
  In1.Cu w0.2: v1(15.45,34.55) 15.45,34.88 15.9,35.33 15.9,43.12 19,46.23 19,47.59 19.89,48.48 v1(20.67,48.48)
  Bottom w0.2: v1(20.67,48.48) 21.78,49.59 TP7.1
Net-(U18-LDO_1V5): length 2.1
  Top w0.2: 13.4,36.64 13.42,36.66 U18.4

## Copper pours and planes (outline as drawn; the poured copper is in the pictures)
GND on Top, Bottom, In1.Cu, In2.Cu: 58.46,103.28 58.55,-51.85 -50.02,-51.83 -50.02,103.28
Net-(U4-SW1) on Top (solid shape): 3.8,32 4.81,32.92 6,32.92 6,33.26 4.21,33.26 3.8,33
Net-(U4-SW2) on Top (solid shape): 3.8,35.12 4.81,34.19 6,34.19 6,33.86 4.21,33.86 3.8,34.12

## Text on the board
B.Silkscreen: cSDA | tSCL | tSDA | tINT | cINT | GND | cSCL | UPDI
F.Silkscreen: PWR_LED | 5V | ATTiny202 | EEPROM | 3.3V | 6A 5V & 3.3V VREGS | by Tangles | +3.3V | +5V | GND | PWR BTN | 1 | + | - | Li PD Charger
